# Altium PCB EPS.PcbDoc (part 9 of 10) (continued)
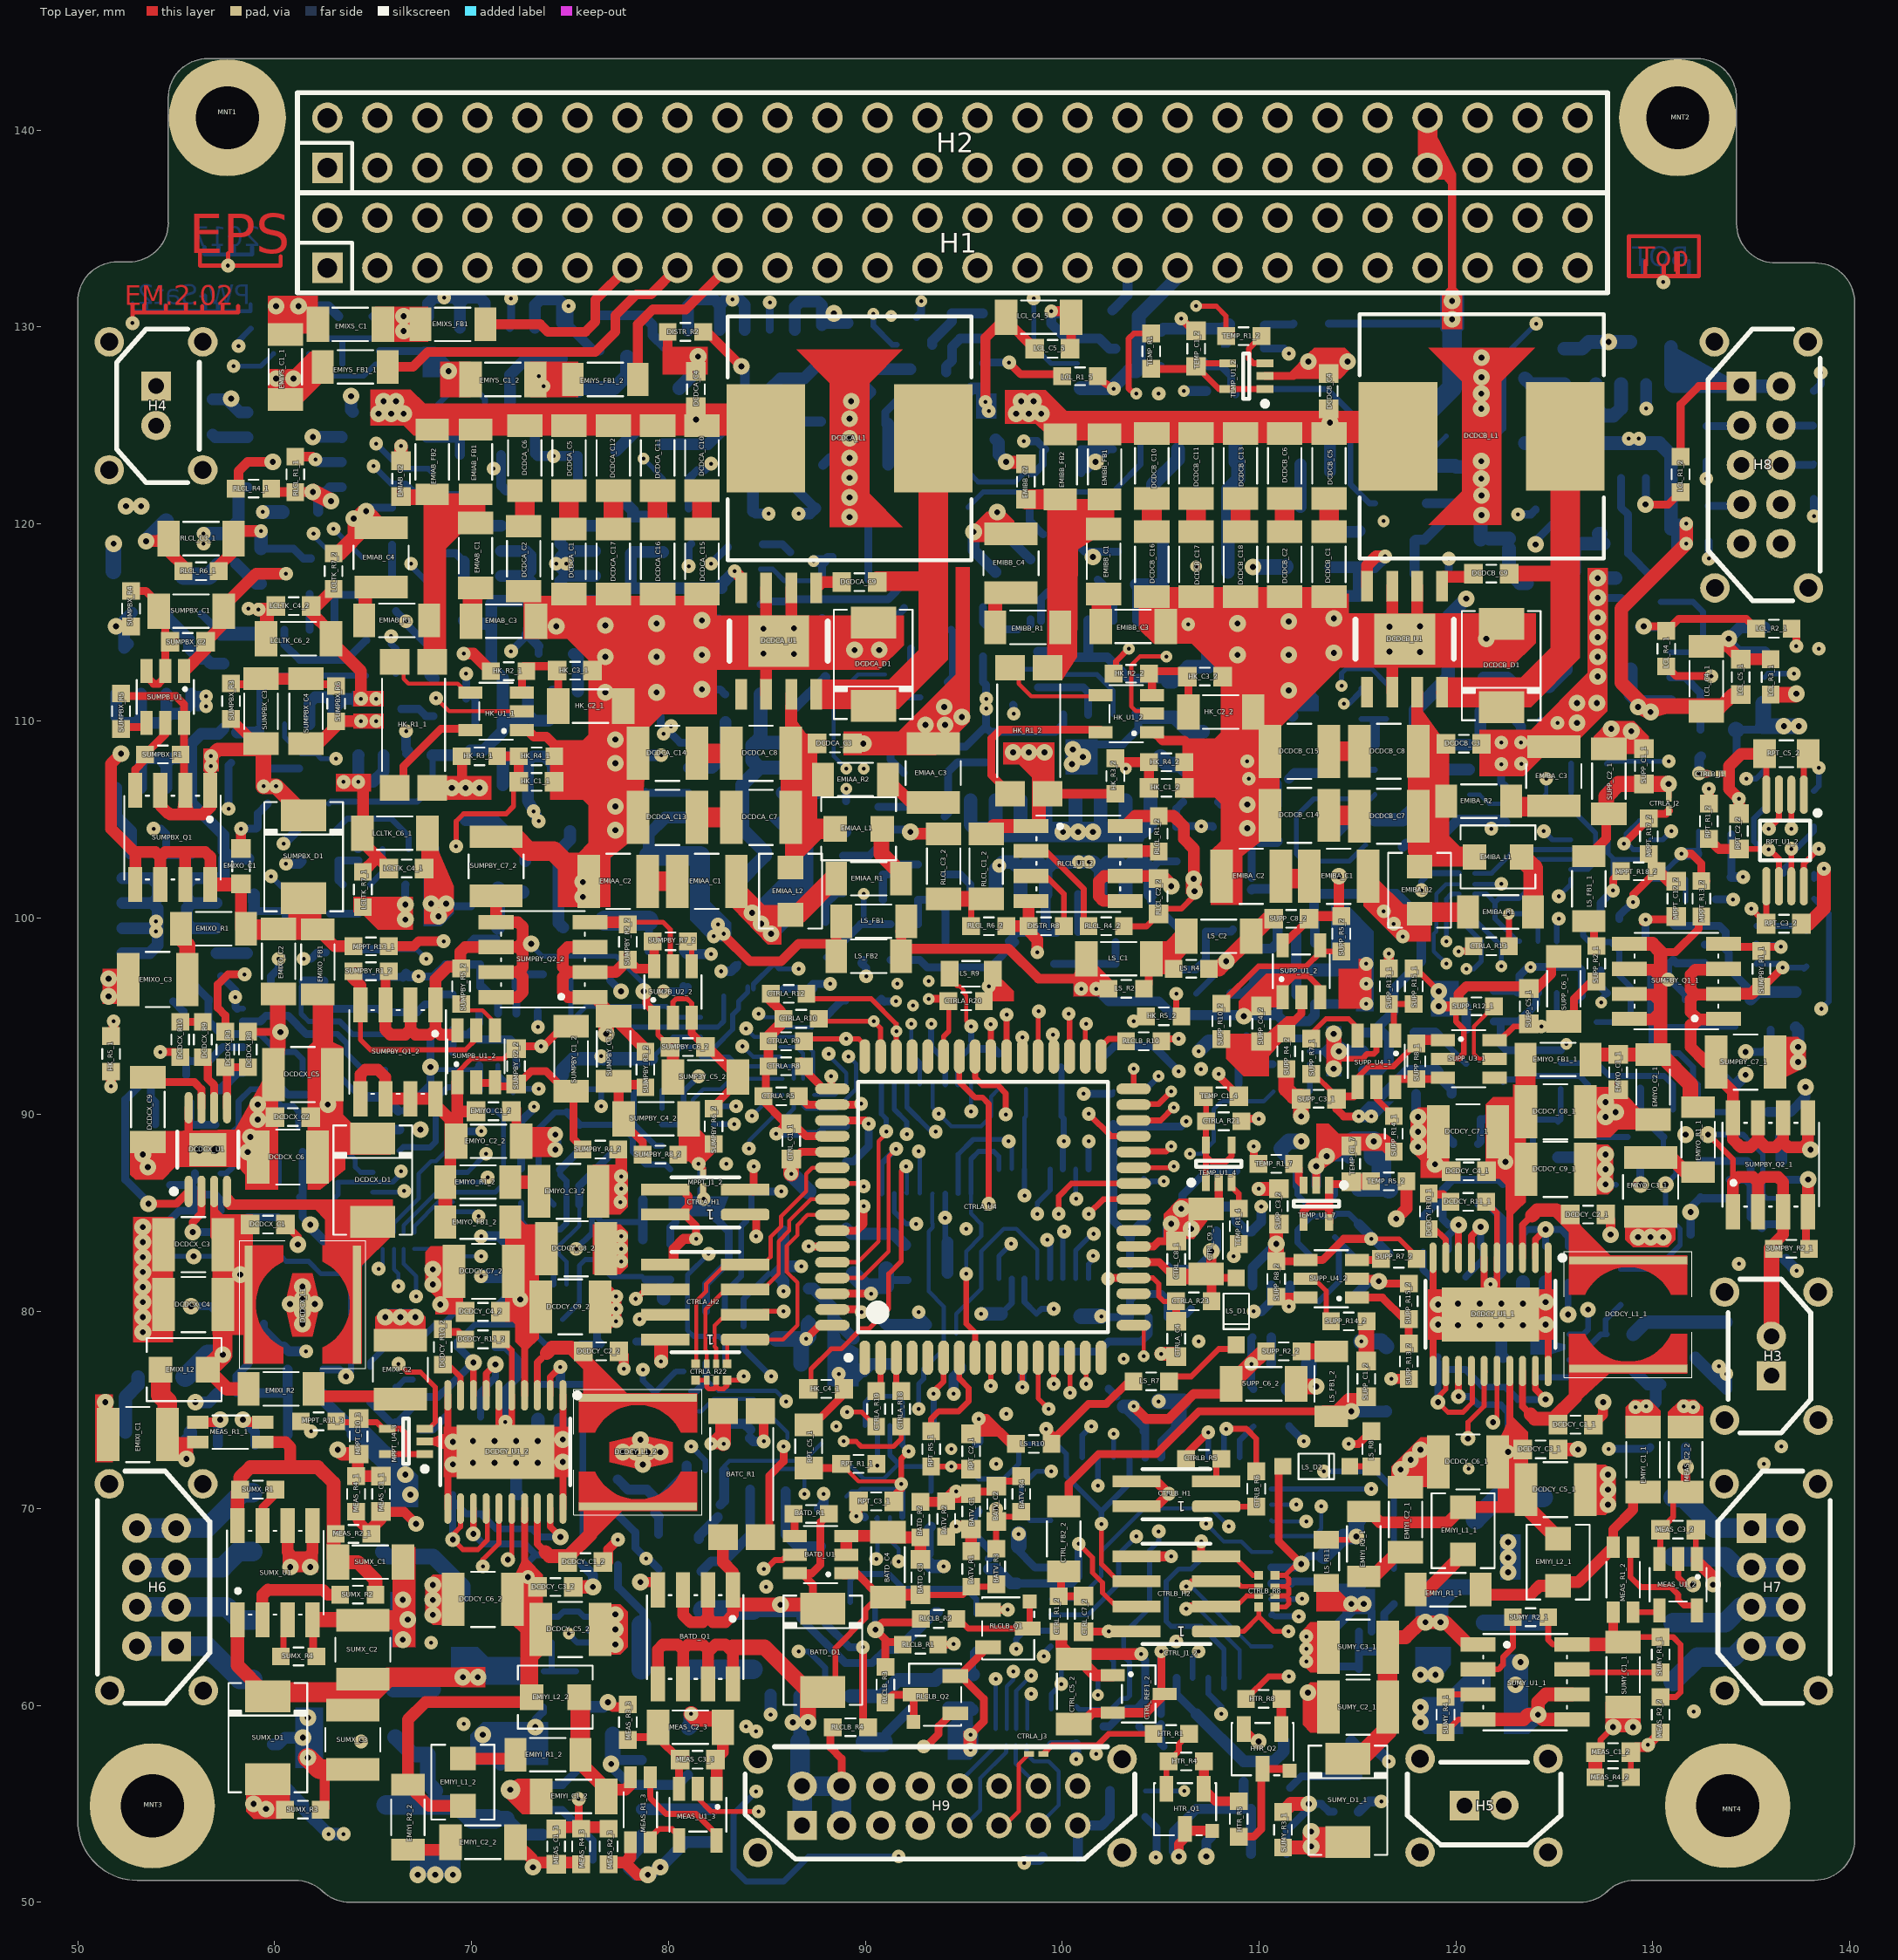
[diagram p0: Top Layer view]
## Nets (pads, with @x,y where several pads share a name; then routed paths per layer and width w, separated by ;. In a path a pad name is that pad's centre, name@x,y a point inside that pad or via, vN(x,y) a via of type N, cw(c..) or ccw(c..) an arc to the next point about the centre after c; other vN are vias at no path point) (continued)
  Bottom Layer w0.6: LCLTK_C5_2.2@52.55,113.9 LCLTK_C5_2.2@52.35,113.7 52.35,115.1 LCLTK_R15_2.1@52.75,115.5 ; MPPT_C10_1.2@54.699,88.238 56.161,88.238 v6(56.172,88.227) ; v2(55.969,75.392) 56.643,75.392 MEAS_U1_1.1@57.112,75.861 ; DISTR_R7.1@56.858,126.338 57.558,126.338 58.219,125.677 RLCL_U1_1.4@58.629,125.677 ; v2(58.636,88.1) 58.89,87.846 DCDCX_C8.2@58.89,86.587 ; v2(59.144,89.751) 59.26,89.635 DCDCX_R11.2@60.16,89.635 ; SUMY_R3_2.2@59.906,58.012 60.171,58.012 60.517,58.358 v2(61.429,58.358) ; v2(61.938,124.422) 63.394,124.422 RLCL_U1_1.6@63.409,124.407 ; MEAS_C3_1.2@62.457,75.781 62.457,75.516 63.969,74.004 MEAS_C2_1.2@63.969,73.749 ; v2(63.881,126.492) 63.881,125.781 RLCL_U1_1.5@63.97,125.692 ; LCLTK_Q4_1.E@67.9,112.325 LCLTK_Q4_1.E@68.075,112.15 ; LCLTK_Q4_1.E@67.95,112.325 LCLTK_R12_1.1@67.95,113.66 ; SUMY_C2_2.2@71.209,57.239 SUMY_C2_2.2@71.463,56.985 ; v2(72.267,72.321) 72.267,70.796 DCDCY_C14_2.2@72.351,70.712 ; LCLTK_C3_1.2@74.65,99.5 74.422,99.728 74.422,103.378 75,103.956 LCLTK_C5_1.2@75,104.4 ; v2(76.8,111.45) 77.2,111.85 DCDCA_R5.1@78.1,111.85 ; v2(77.3,109.05) 77.3,109.431 77.802,109.933 SEL_C1.2@77.802,110.198 ; DCDCA_R4.1@80.6,111.85 81.45,111.85 v2(81.7,111.6) ; v2(81.7,115.1) 82.55,115.1 DCDCA_C20.2@82.7,114.95 ; v1(85.19,59.536) RLCLB_R12.2@85.19,60.414 RLCLB_R12.2@85.19,60.541 ; LCL_C2_3.2@89.1,128.4 LCL_C2_3.2@89.2,128.3 ; v2(89.281,126.238) 89.778,126.238 LCL_R5_3.1@90.248,126.708 89.816,127.14 89.816,127.851 ; LCL_C2_3.2@89.281,128.386 89.816,127.851 ; DISTR_R4.1@92.28,127.851 89.816,127.851 ; RLCLB_R13.2@94.207,59.906 95.328,59.906 RLCLB_R8.2@95.466,59.768 ; v2(95.5,119.6) 95.5,118.672 SEL_C7.1@96.608,117.564 ; LCL_R5_5.1@96.62,124.295 96.774,124.141 96.774,123.526 v2(97.15,123.15) ; LCL_C2_5.2@105.029,129.805 105.145,129.921 108.269,129.921 HK_R4_3.2@108.485,130.137 ; DRLCL_R4_2.1@108.966,111.136 109.452,111.622 DCDCB_R5.1@110.236,111.622 ; v2@109.624,104.326 110.05,103.9 LCL_R5_6.1@110.9,103.9 ; DCDCB_R5.1@110.2,111.55 v2(111.5,111.55) ; LCL_C3_6.2@111.7,110.25 111.5,110.45 v2(111.5,111.55) ; DCDCB_R4.1@112.6,111.55 v2(111.5,111.55) ; v2(113.8,115.2) 114.4,115.2 DCDCB_C21.2@115.05,114.55 ; v2(114.046,93.218) SUPP_U2_1.2@115.276,93.218 ; v2(122.305,79.306) 122.305,77.781 DCDCY_C14_1.2@122.389,77.697 ; SUMPBY_R8_1.2@128.994,77.04 129.744,76.29 SUMPBY_C4_1.2@130.138,76.29 ; v1(129.667,75.184) 129.921,75.184 130.138,75.401 SUMPBY_C4_1.2@130.138,76.29 ; SUMPBY_C4_1.2@130.391,76.29 SUMPBY_C4_1.2@130.138,76.29 ; SUMPBY_R6_1.2@136.741,82.628 v1(137.304,82.065) ; SUMPBY_R4_1.2@137.249,94.439 137.376,94.312 v2(137.376,93.434) 137.448,93.434 137.47,93.456 v2@137.434,93.492
  Bottom Layer w0.7: LCLTK_R14_2.1@59.309,118.756 v1(59.309,119.634) ; v1(59.398,120.612) RLCL_C2_1.2@60.403,120.612 ; v2(73.367,73.421) v2(73.367,73.421) DCDCY_C13_2.2@73.368,74.511 ; DCDCY_R6_2.2@74.511,74.511 74.511,73.633 v2(74.638,73.506) ; DRLCL_C5_1.2@76.75,103.15 76.75,103.9 v2(77.3,104.45) ; LCL_C3_4.2@80.55,126.9 81.5,127.85 v2(81.5,128.5) ; v2(81.7,113.35) v2@81.75,113.4 ; v1(106.934,93.218) 107.442,93.726 TEMP_C1_6.2@107.558,93.726 ; HK_U1_3.1@118.51,122.95 119.95,122.95 HK_C3_3.2@120,122.9 v2@121,122.9 ; HK_C2_3.2@121.25,119.2 v2@121.25,120.4 ; HK_C2_3.2@121.7,119.25 LCL_C3_2.2@122.687,119.25 ; LCL_C3_2.2@122.687,118.75 122.687,117.563 123.25,117 LCL_R5_2.1@123.6,117 ; v2(123.405,80.406) v2(123.405,80.406) DCDCY_C13_1.2@123.406,81.496 ; v2(124.549,80.48) DCDCY_R6_1.2@124.549,81.496 ; LCL_R3_2.1@125.5,128.9 126.4,128.9 126.75,129.25 v2(127.75,129.25) LCL_C2_2.2@128.85,129.25 ; v2(127.2,117.25) DISTR_R5.1@128.1,117.25
  Bottom Layer w0.8: v2(51.816,118.999) v2(51.816,118.999) LCLTK_C3_2.2@51.817,117.602 ; v2@77.163,57.224 77.163,58.494 RLCLB_C6.2@77.178,58.509 ; RLCLB_C7.2@81.026,58.876 81.153,59.003 v1(81.153,59.563) ; v2(89.2,120.35) LCL_C3_5.2@90.143,120.35 ; v2(109.69,117.818) 111.317,117.818 EMIVBAT_C5.2@111.341,117.842 ; SUPP_C5_2.2@111.517,76.073 111.76,76.073 112.533,76.846 SUPP_R12_2.2@112.533,77.343 ; SUPP_C7_2.2@114.426,88.265 SUPP_C7_2.2@114.807,88.646 ; SUPP_C10_2.2@115.062,86.244 115.074,86.232 SUPP_C9_2.2@116.586,86.232 ; v1(115.189,78.486) 116.204,78.486 SUPP_C2_2.2@116.332,78.358 SUPP_C2_2.2@116.459,78.231
  Bottom Layer w1: SUPP_C7_2.2@114.807,88.646 v2(115.824,88.646) SUPP_C9_1.2@115.824,87.884 ; SUPP_C9_1.2@116.205,87.631 116.205,86.613 SUPP_C9_2.2@116.586,86.232
  other v1: 95.339,57.747 112.395,62.23 112.395,62.865 105.791,63.246 112.395,63.5 129.121,75.146 132.042,75.146 131.572,75.184 77.343,79.502 77.343,80.137 77.343,80.772 77.597,82.55 77.597,83.185 77.597,83.82 95.123,84.201 77.559,85.56 77.597,86.233 109.474,107.061 123.317,107.823 109.4,107.95 65.151,109.982
  other v2: 67.272,51.397 68.161,51.397 69.05,51.397 70.574,58.509 128.994,58.89 61.683,59.374 112.484,60.646 123.025,61.049 118.199,61.557 118.961,61.557 123.279,62.192 77.305,63.092 66.51,63.335 66.764,64.351 68.034,64.594 77.305,64.616 68.034,65.356 66.51,65.367 68.034,66.118 122.644,66.764 60.795,67.018 61.811,67.018 122.643,67.502 122.644,68.288 127.724,70.193 66.891,70.701 127.724,70.955 66.637,71.717 127.724,71.717 117.183,71.971 69.05,72.236 78.702,72.225 70.067,72.321 71.167,72.321 73.367,72.321 74.638,72.363 117.691,72.479 77.686,72.86 78.321,72.86 78.956,72.86 79.591,72.86 118.199,72.987 69.05,73.379 70.067,73.421 71.167,73.421 72.267,73.421 78.575,73.495 51.397,75.4 53.302,78.956 120.105,79.306 121.205,79.306 123.405,79.306 119.088,79.337 124.549,79.337 61.411,79.362 53.302,79.718 65.621,79.718 66.383,79.718 67.145,79.718 61.411,79.997 68.415,80.353 119.088,80.364 60.776,80.378 62.046,80.378 120.105,80.406 121.205,80.406 122.305,80.406 53.302,80.48 61.411,80.632 53.302,81.242 61.411,81.267 68.034,81.38 53.302,82.004 68.034,82.142 53.302,82.766 53.302,83.528 129.248,83.782 129.883,83.782 130.518,83.782 53.302,84.29 127.597,87.222 53.556,87.338 118.94,87.48 53.302,87.973 127.597,87.984 118.072,88.365 58.763,88.862 118.072,89.127 127.597,89.878 112.141,89.916 128.105,90.132 59.144,90.513 127.597,90.64 113.792,92.329 137.376,92.672 113.792,94.107 51.562,96.012 51.562,96.901 66.637,99.911 75.654,101.054 75.654,101.816 109.4,104.55 77.3,105.65 77.3,107.85 128.905,109.474 127.889,109.601 93.05,109.8 94.05,109.8 126.15,109.9 94.9,110.2 94,110.7 126.15,110.9 127.15,110.9 79.4,111.45 127.2,112.25 76.8,113.25 79.4,113.25 127.2,113.25 108.9,113.35 111.5,113.35 84.825,113.415 86.375,113.4 113.8,113.45 116.62,113.515 118.17,113.5 89.45,113.6 127.2,114.25 84.825,114.685 86.375,114.7 116.62,114.785 74.3,114.8 118.17,114.8 76.8,114.85 79.4,114.95 108.9,114.95 111.5,115.05 127.2,115.25 101.562,118.326 64.008,120.269 121.3,120.45 96.7,120.6 89.2,121.35 121.3,121.45 121.285,122.301 89.2,122.35 101.689,123.152 121.285,123.19 89.2,124.35 89.2,125.35 121.285,125.857 57.785,126.365 121.285,126.619 121.3,127.45 68.834,127.762 114.5,128.25 121.3,128.45 60.071,131.064
  other v4: 74.257,88.227 74.257,88.989
  other v6: 56.985,88.227
  other v8: 71.971,55.715
pads on no net: CTRLA_U3.4 CTRLA_U4.1 CTRLA_U4.4 CTRLA_U4.5 CTRLA_U4.10 CTRLA_U4.16 CTRLA_U4.18 CTRLA_U4.19 CTRLA_U4.23 CTRLA_U4.24 CTRLA_U4.44 CTRLA_U4.45 CTRLB_U1.7 CTRLB_U1.8 CTRLB_U1.33 CTRLB_U1.40 CTRLB_U1.41 CTRLB_U1.43 CTRLB_U1.44 DCDCA_U1.5 DCDCB_U1.5 H1.1 H1.2 H1.3 H1.4 H1.5 H1.6 H1.7 H1.8 H1.9 H1.10 H1.11 H1.12 H1.14 H1.16 H1.18 H1.19 H1.20 H1.22 H1.24 H1.25 H1.26 H1.27 H1.28 H1.29 H1.30 H1.31 H1.32 H1.36 H1.42 H1.44 H1.45 H1.46 H1.47 H1.49 H1.51 H2.1 H2.2 H2.3 H2.4 H2.5 H2.6 H2.7 H2.8 H2.9 H2.10 H2.11 H2.12 H2.13 H2.14 H2.15 H2.16 H2.17 H2.18 H2.19 H2.20 H2.21 H2.22 H2.23 H2.24 H2.33 H2.34 H2.36 H2.38 H2.40 H2.41 H2.42 H2.43 H2.44 H2.47 H2.48 H2.49 H2.50 H2.51 H2.52 H3.0@133.642,74.49 H3.0@133.642,80.99 H4.0@56.35,122.75 H4.0@56.35,129.25 H5.0@118.176,57.29 H5.0@124.676,57.29 H6.0@56.35,71.25 H6.0@56.375,60.75 H7.0@133.65,60.75 H7.0@133.625,71.25 H8.0@133.15,116.75 H8.0@133.125,129.25 H9.0@84.54,57.273 H9.0@103.04,57.273 SUPP_U3_1.4 SUPP_U3_2.4

## Polygon pours and split planes (outlines as drawn)
PGND on Power "PGND" (solid, pour order 18): 50.651,129.168 50.651,131.663 55.436,133.953 55.436,142.75 133.15,142.729 133.15,135.951 134.922,132.68 138.886,132.68 139.834,130.857 139.834,52.76 138.65,51.576 126.136,51.576 126.136,50.675 64.028,50.675 64.028,51.805 52.895,51.805 50.651,54.796
AGND on Power "Signal-No Net" (solid, remove dead copper, pour order 2): 88.773,98.044 88.773,95.631 87.503,95.631 87.503,89.304 80.772,82.573 80.772,79.756 55.118,79.756 55.118,98.044
AGND on Power "AGND" (solid, remove dead copper, pour order 4): 121.12,102.997 121.12,85.827 136.017,85.827 136.017,102.997
DGND on Power "DGND" (solid, remove dead copper, pour order 16): 131.826,107.823 131.826,101.981 139.319,101.981 139.319,107.823
DGND on Power "CTRLB_DGND" (solid, remove dead copper, pour order 6): 89.154,76.708 89.154,60.706 116.245,60.706 116.245,76.708
DGND on Power "CTRLA_DGND" (solid, remove dead copper, pour order 8): 86.487,98.044 86.487,88.138 84.709,88.138 80.264,83.693 80.264,79.502 79.248,79.502 79.248,76.217 116.967,76.217 116.967,98.044
PGND on Signal 1 "PGND" (solid, remove dead copper, pour order 14): 113.03,132.207 113.03,127 129.794,127 132.207,124.587 138.557,124.587 138.557,132.207
PGND on Signal 1 "PGND" (solid, pour order 24): 50.651,129.168 50.651,131.663 55.436,133.953 55.436,142.75 133.15,142.729 133.15,135.951 134.922,132.68 138.886,132.68 139.834,130.857 139.834,52.76 138.65,51.576 126.136,51.576 126.136,50.675 64.028,50.675 64.028,51.805 52.895,51.805 50.651,54.796
PGND on Signal 2 "PGND" (solid, pour order 26): 50.603,129.279 50.603,131.774 55.388,134.064 55.388,142.861 133.101,142.84 133.101,136.062 134.874,132.791 138.838,132.791 139.786,130.969 139.786,52.872 138.602,51.688 126.088,51.688 126.088,50.786 63.98,50.786 63.98,51.916 52.847,51.916 50.603,54.907
PGND on Control Signals 2 "PGND" (solid, pour order 22): 50.676,129.142 50.676,131.637 55.461,133.927 55.461,142.724 133.175,142.703 133.175,135.925 134.947,132.654 138.911,132.654 139.86,130.832 139.86,52.735 138.676,51.551 126.162,51.551 126.162,50.649 64.054,50.649 64.054,51.78 52.92,51.78 50.676,54.77
PGND on Control Signals 1 "PGND" (solid, pour order 20): 50.673,129.184 50.673,131.678 55.458,133.969 55.458,142.766 133.172,142.744 133.172,135.966 134.945,132.696 138.908,132.696 139.857,130.873 139.857,52.776 138.673,51.592 126.159,51.592 126.159,50.691 64.051,50.691 64.051,51.821 52.918,51.821 50.673,54.812
PGND on PGND "PGND" (solid, pour order 0): 50.628,129.128 50.628,131.623 55.413,133.913 55.413,142.71 133.127,142.689 133.127,135.911 134.899,132.64 138.863,132.64 139.812,130.817 139.812,52.72 138.628,51.537 126.114,51.537 126.114,50.635 64.006,50.635 64.006,51.765 52.872,51.765 50.628,54.756

## Other copper
Top Layer:
  region net DGND: 112.903,65.913 112.903,64.77 115.415,64.77 113.708,65.913
  region net CTRLA_3V3D: 96.393,97.409 96.393,95.758 97.536,95.758 97.536,96.266
  region net NetLCLTK_C4_2_2: 64.008,110.744 65.532,110.744 65.532,111.506 64.008,111.506
  region net PGND: 64.008,109.601 65.532,109.601 65.532,110.363 64.008,110.363
  region net PGND: 80.518,90.297 80.518,87.63 81.026,87.63 81.471,87.186 82.423,88.138 82.423,88.392
  region net NetEMIXS_C1_1: 58.547,55.88 58.547,54.61 58.928,54.229 60.325,54.229 60.325,55.88
  region net PGND: 112.903,89.535 112.903,87.884 112.649,87.63 112.903,86.995 113.792,87.63 114.537,88.162 116.332,88.138 116.205,89.027 114.046,89.027 113.538,89.535
  region net NetLS_C1_1: 108.966,95.758 108.966,94.996 111.379,95.758 111.379,96.52 112.014,97.155 110.363,97.155
  region net NetSUPP_C4_2_2: 111.633,94.234 112.014,94.996 111.379,94.996 110.363,94.107 108.331,94.107 108.331,92.837 109.22,91.948 110.49,91.948 110.49,92.964
  region net PGND: 113.411,94.107 113.411,92.202 114.173,92.202 114.173,94.107
  region net NetSUPP_C4_1_2: 114.046,95.377 115.697,95.377 115.697,97.917 115.062,97.917 115.062,97.409 114.046,97.409
  region net NetLS_C1_2: 104.013,97.282 104.013,98.806 105.283,98.806 105.918,99.441 106.299,99.441 106.299,98.171 106.045,97.917 106.045,97.282
  region net PGND: 127,108.331 129.794,108.331 129.794,109.22 129.032,109.982 127.762,109.982 127,109.22
  region net DGND: 105.156,83.693 105.156,84.963 105.918,85.725 108.204,85.725 106.68,83.693
  region net NetBATC_R1_4: 82.042,73.533 82.042,73.025 82.931,73.025 82.931,74.422
  region net NetDCDCY_C4_2_2: 71.717,79.475 72.098,79.475 72.225,79.348 72.225,78.459 72.606,78.078 72.86,78.078 73.406,78.624 73.406,84.432 72.733,84.417 72.098,85.052 71.717,84.417
  region net PGND: 75.019,74.141 68.58,74.141 68.58,73.787 67.818,73.533 67.818,73.279 68.58,73.025 68.58,71.601 75.019,71.601
  region net PGND: 71.755,56.007 71.691,55.372 72.581,54.483 73.724,54.483 73.724,56.261 72.326,56.261
  region net PGND: 52.794,97.409 52.794,95.631 51.27,95.631 51.27,97.409
  region net NetDCDCX_C2_2: 61.684,86.195 61.684,93.434 61.938,93.688 61.938,95.847 62.954,95.847 62.954,93.688 63.462,93.434 63.462,90.005 63.97,89.497 65.875,89.497 65.875,87.973 63.589,87.973 63.589,87.211 62.319,86.195
  region net NetEMIXO_C1_1: 58.128,98.895 62.357,98.895 62.357,99.911 62.357,100.965 60.706,100.965 60.706,99.911 58.128,99.911
  region net PGND: 64.008,101.054 64.008,100.292 64.351,100.292 65.24,99.403 67.018,99.403 67.018,101.054
  region net PGND: 51.778,72.352 51.778,75.781 50.889,75.781 50.889,72.352
  region net NetEMIXI_C1_1: 54.572,73.368 54.6,73.035 55.499,72.136 55.842,72.479 55.842,73.368
  region net NetEMIXS_C2_1: 69.431,60.922 70.701,60.922 70.701,61.938 69.431,61.938
  region net PGND: 66.002,68.034 66.002,62.954 67.145,62.954 67.145,68.034
  region net PGND: 60.414,67.78 60.414,66.764 62.192,66.764 62.192,67.78
  region net PGND: 62.065,64.732 62.065,63.97 63.335,63.97 63.335,64.732
  region net PGND: 61.919,78.727 62.3,80.378 61.919,81.947 60.903,81.947 60.522,80.378 60.903,78.727
  region net NetDRLCL_C1_1_1: 67.6,105.1 67.6,99.695 68.453,99.695 69.081,100.323 69.1,101.6
  region net NetLCLTK_C4_1_2: 63.119,107.315 63.119,106.426 64.897,106.426 64.897,107.315
  region net NetHK_R1_1_4: 71,107.2 70.4,107.2 67.8,107.2 67.8,106 71,106
  region net PGND: 79.95,110.6 78.95,109.6 78.587,104.263 77.05,103.05 77.05,100.55 74.384,100.55 74.384,103.3 75.45,103.3 75.95,103.8 75.95,105.7 75.65,106 74,106 74,109 75.65,109 75.95,109.3 75.95,110.6
  region net NetEMIAB_C1_1: 67.564,121.55 70.15,121.55 70.138,119.767 69.717,119.767 68.707,118.757 68.707,113.484 68,112.4 67.564,113.069
  region net NetHK_R1_2_4: 99.6,106.2 99.6,108.9 97,108.9 97,107.8 97.8,107.8 98.5,107.1 98.5,106.2
  region net PC-104_LCL_VBAT: 118.2,137.5 119.4,137.5 119.8,137 120,137.5 120,137.8 118.2,141.3
  region net PC-104_LCL_VBAT: 119.3,131.7 119.3,129.9 120.3,129.9 120.3,131.7 119.8,132.2
  region net NetDCDCB_C9_1: 119.55,112.2 119.55,110.7 123.8,110.7 126.3,113.2 126.3,115.45 124.8,115.45 124.8,113.7 123.3,112.2
  region net PGND: 114.05,115.45 124.05,115.45 124.05,113.95 122.8,112.7 114.05,112.7
  region net NetDCDCB_C4_1: 115.55,124.6 115.55,125.73 100.22,125.73 99.15,126.8 97.1,126.8 97.1,125.1 98.65,125.1 99.15,124.6
  region net PGND: 112.05,110.7 111.05,109.7 110.688,104.362 109.15,103.15 109.15,100.65 107.55,100.65 107.55,103.4 108.05,103.9 108.05,105.8 107.75,106.1 106.1,106.1 106.1,109.1 107.75,109.1 108.05,109.4 108.05,110.7
  region net PGND: 103.9,116.2 103.9,114.667 104.648,113.919 106.581,113.919 108.125,112.375 108.125,116.2
  region net PGND: 111.537,127.381 114.131,127.381 114.65,127.9 114.65,128.65 114.35,128.95 112.8,128.95 112.5,128.65 111.496,127.645
  region net PGND: 122.3,128.95 118.6,128.95 120.3,127.25 120.3,121.65 118.6,119.95 122.3,119.95 122.3,121.65 122.3,127.25 124,128.95
  region net PGND: 96.9,122.809 98.552,122.809 98.552,123.444 96.9,123.444
  region net PGND: 95.3,119.1 97.562,119.1 97.562,120.163 97.1,120.625 96.175,120.625 95.3,119.75
  region net NetEMIBB_C1_1: 99.25,121.25 102.15,121.25 102.15,119.55 101.25,119 100.792,118.72 100.75,113.25 100,112.1 99.25,113.25 99.25,119.55
  region net NetDCDCB_C3_1: 118.03,110.9 119.65,108.65 119.65,104.15 120.9,102.9 118.03,102.9
  region net PGND: 79.718,127.597 82,127.597 82,129 79.718,129
  region net PGND: 90.2,128.85 86.5,128.85 88.2,127.15 88.2,121.55 88.2,119.85 91.9,119.85 90.2,121.55 90.2,127.15 91.9,128.85
  region net NetDCDCA_C9_1: 87.45,112.1 87.45,110.6 91.7,110.6 94.2,113.1 94.2,115.35 92.7,115.35 92.7,113.6 91.2,112.1
  region net PGND: 81.95,115.35 91.95,115.35 91.95,113.85 90.7,112.6 81.95,112.6
  region net PGND: 82.45,116.35 82.45,110.35 75.95,110.35 75.95,116.35
  region net PGND: 72.644,116.332 72.644,114.173 74.852,114.173 76.025,113 76.025,116.332
  region net PGND: 94.6,115.6 94.6,112.35 91.7,109.45 88.9,109.45 88.9,108.256 93.6,108.256 95.3,109.956 95.3,115.6 95.3,117.8 94.6,117.8
  region net NetDCDCA_C3_1: 85.93,110.8 87.55,108.55 87.55,105.029 88.575,105.029 88.575,104.013 87.757,104.013 86.576,102.832 85.93,102.8
  region net NetDCDCA_C4_1: 83.45,124.5 83.45,126.1 67.626,126.1 66.904,126.822 64.859,126.822 64.859,125 66.55,125 67.05,124.5
  region net NetDRLCL_C4_1_1: 83.25,101 84.25,101 85.725,99.822 85.725,98.641 85.052,98.641 83.25,100.5
  region net NetDRLCL_C4_1_1: 115.3,101.3 116.3,101.3 118.707,99.657 118.707,98.806 117.094,98.806 115.3,100.6
  region net PGND: 63.711,119.387 65.662,119.387 65.662,120.139 64.926,120.875 64.275,120.875 63.711,120.312
  region net NetDCDCX_C1_2: 58.89,84.925 57.366,84.925 56.858,85.433 56.858,78.829 58.89,78.829
  region net PGND: 54.826,78.448 54.826,84.798 52.824,84.798 52.824,78.448
  region net PGND: 52.667,86.957 52.921,86.703 54.318,86.703 54.953,87.338 58.128,87.338 58.509,86.957 58.509,86.195 60.16,86.195 60.16,90.767 60.541,93.434 60.541,95.72 59.779,95.72 59.779,92.418 58.001,89.243 52.667,89.116
  region net NetDCDCX_D1_A: 66.002,85.687 58.001,85.687 57.747,85.941 57.391,85.941 57.391,85.408 57.62,85.179 62.065,85.179 62.573,84.671 62.573,83.147 63.208,82.099 64.389,82.296 66.04,83.947
  region net PGND: 69.939,128.232 69.939,126.454 68.415,126.454 68.415,128.232
  region net PGND: 62.192,131.572 62.192,129.667 59.652,129.667 59.652,131.572
  region net NetEMIYS_C1_1_1: 59.652,125.819 59.652,126.962 59.652,127.851 60.922,127.851 61.811,128.74 62.954,128.74 62.954,127.723 61.05,125.819
  region net NetEMIYS_C1_2_1: 72.987,128.232 72.987,126.454 75.4,126.454 75.4,128.232
  region net PGND: 76.162,84.428 76.162,81.888 77.559,81.888 77.94,82.269 77.94,84.047 77.559,84.428
  region net PGND: 76.162,81.507 76.162,78.967 76.935,78.967 77.597,79.629 77.597,80.772 76.862,81.507
  region net PGND: 76.162,65.124 76.162,62.584 77.559,62.584 77.94,62.965 77.94,64.743 77.559,65.124
  region net PGND: 69.558,79.602 69.558,83.312 67.934,83.312 67.653,83.031 67.653,81.253 68.161,80.745 68.161,79.856 69.177,79.856
  region net NetDCDCY_C1_2_1: 75.702,70.871 75.702,67.918 77.964,70.18
  region net NetDCDCY_C2_2_1: 75.666,75.113 75.666,78.066 77.928,75.804
  region net PGND: 126.454,88.481 126.454,85.941 127.724,85.941 127.978,86.195 127.978,88.227 127.724,88.481
  region net PGND: 126.454,91.402 126.454,88.862 127.851,88.862 128.232,89.243 130.772,89.243 130.772,90.259 129.375,90.259 128.613,91.021 127.851,91.402
  region net NetDCDCY_C4_1_2: 121.501,86.741 122.225,86.741 122.517,86.449 122.517,85.179 122.754,84.781 123.152,85.179 123.533,85.56 123.533,91.529 122.898,91.529 122.898,90.894 121.882,90.894 121.501,90.513
  region net PGND: 124.93,81.115 118.58,81.115 118.58,78.575 124.93,78.575
  region net NetDCDCY_C2_1_1: 125.831,81.913 125.831,84.866 128.093,82.604
  region net NetDCDCY_C1_1_1: 125.994,77.972 125.946,75.157 128.256,77.281
  region net PGND: 119.634,86.741 119.634,90.353 118.072,90.353 117.691,89.972 117.691,88.194 118.199,87.686 118.199,86.797 119.215,86.797
  region net PGND: 69.431,64.086 69.431,66.626 68.034,66.626 67.653,66.245 67.653,64.467 68.034,64.086
  region net PGND: 119.596,71.082 119.596,73.622 118.199,73.622 116.713,72.136 116.713,71.082
  region net PGND: 126.454,72.225 126.454,69.682 127.594,69.682 128.105,70.193 128.105,71.844 127.594,72.225
  region net PGND: 65.113,78.321 67.653,78.321 67.653,79.718 67.272,80.099 65.494,80.099 65.113,79.718
  region net NetDCDCY_C3_1_2: 122.771,74.765 122.39,73.887 122.136,73.379 122.136,70.32 123.152,69.685 123.66,69.685 123.66,73.876
  region net NetDCDCY_C3_2_2: 72.86,67.404 72.733,67.774 72.352,66.896 72.098,66.388 72.095,64.094 72.479,63.71 72.479,60.027 73.368,60.027 73.368,62.313 73.622,62.567 73.622,66.642
  region net PGND: 76.162,87.465 76.162,84.925 77.559,84.925 77.94,85.306 77.94,87.084 77.559,87.465
  region net PGND: 72.415,89.37 72.415,87.846 74.295,87.846 74.295,89.37
  region net PGND: 80.226,73.368 78.575,73.749 77.006,73.368 77.006,72.352 78.575,71.971 80.226,72.352
  region net PGND: 127.597,60.16 129.375,60.16 129.375,59.017 128.994,58.636 127.978,58.636 127.597,59.017
  region net PGND: 114.008,58.625 114.008,61.165 112.611,61.165 112.23,60.784 112.23,59.006 112.611,58.625
  region net PGND: 114.008,61.673 114.008,64.213 112.611,64.213 112.23,63.832 112.23,62.054 112.611,61.673
  region net NetEMIYS_C1_1_1: 112.611,53.81 112.23,53.556 112.23,52.54 112.611,52.286 115.532,52.286 115.532,53.81
  region net PGND: 128.613,73.749 130.391,73.749 130.391,74.968 129.832,75.527 128.994,75.527 128.613,75.146
  region net PGND: 131.407,75.527 130.772,74.892 130.772,73.749 132.55,73.749 132.55,75.146 132.169,75.527
  region net PGND: 135.979,93.953 135.979,91.91 136.741,91.91 137.757,92.418 137.757,93.572 137.376,93.953
  region net PGND: 131.142,85.052 128.602,85.052 128.602,83.655 128.983,83.274 130.761,83.274 131.142,83.655
  region net NetEMIXS_C1_1: 65.113,131.026 65.113,129.248 67.78,129.248 67.78,131.026
  region net PC-104_LCL_3V3: 61.722,121.285 62.738,120.777 62.992,121.539 61.976,122.047
  region net PC-104_LCL_5V: 106.299,102.108 106.299,101.219 107.061,101.219 107.061,102.108
  region net NetLS_C1_1: 100.584,97.028 100.584,96.012 102.362,96.012 102.743,96.393 102.351,96.862 100.811,97.817
  region net NetBATC_R1_4: 55.118,105.918 54.991,105.029 56.007,105.029 55.753,105.918
  region net NetBATC_R1_4: 56.388,108.585 56.388,107.442 57.15,107.442 57.15,108.585
  region net NetHK_R1_2_4: 128.994,111.134 128.994,110.452 129.756,110.071 130.137,110.198 133.731,111.134
  region net PGND: 94.996,58.674 94.996,57.658 95.631,57.658 95.631,58.674
  region net DGND: 95.758,73.66 96.774,73.66 96.774,73.787 95.758,74.803
  region net PGND: 114.554,116.45 114.554,113.157 110.841,109.444 108.05,110.45 108.05,116.45
  region net PGND: 126.7,117.75 126.7,112.45 123.8,109.55 121.2,109.55 121.2,107.185 123.435,107.185 124.528,108.278 125.476,108.278 127.686,110.488 127.7,117.75
  text "EPS" at 55.651,133.756 h2
  text "Top" at 129.286,133.096 h1
  text "EM.2.02" at 52.375,131.115 h1
PGND:
  text "2" at 130.302,133.096 h1
Power:
  region net NetDRLCL_U1_1_4: 95.758,111.633 95.758,110.236 96.52,110.236 96.52,111.633
  region net NetDRLCL_U1_1_4: 79.375,110.109 79.375,108.966 80.518,108.966 80.518,110.109
  region net NetDRLCL_C1_1_1: 58.039,116.078 58.039,115.316 59.563,115.316 59.563,116.078
  region net PC-104_LCL_SADSMAIN: 72.771,105.791 72.771,104.521 73.787,104.521 73.787,105.791
  region net PC-104_LCL_SADSRED: 56.134,111.633 56.134,110.363 56.896,110.363 56.896,111.633
  region net PC-104_LCL_SAILMAIN: 73.914,118.364 73.914,117.602 75.184,117.602 75.184,118.364
  region net PC-104_LCL_SAILRED: 53.594,100.203 53.594,98.933 54.356,98.933 54.356,100.203
  region net NetHK_R1_1_4: 55.88,118.618 55.88,119.888 56.896,119.888 56.896,118.618
  region net NetEMIXS_C1_1: 66.04,130.937 66.04,129.756 66.929,129.667 66.929,130.937
  region net NetEMIXS_C1_1: 58.547,54.737 59.447,54.367 59.817,54.991 58.928,55.88
  region net NetDRLCL_C1_1_1: 81.242,101.308 81.144,99.831 82.169,98.806 82.804,98.806 83.274,99.276 83.274,99.53 83.274,101.308
  region net NetEMIXS_C2_1: 117.786,58.636 118.866,58.636 118.866,60.455 117.786,60.455 116.929,59.906 116.929,59.144
  region net NetEMIXS_C2_1: 69.177,62.319 69.177,60.795 72.225,60.795 72.225,62.319
  region net NetDRLCL_C1_1_1: 67.437,101.346 68.834,101.346 70.231,99.949 69.578,99.441 67.437,99.441
  region net PC-104_LCL_VBAT: 120,137.5 119.7,137.2 119.4,137.5 118.4,137.5 118.4,140.9 120,137.9
  region net PC-104_LCL_VBAT: 119.3,131.7 119.3,129.9 120.3,129.9 120.3,131.7 119.8,132.2
  region net NetDRLCL_C4_1_1: 83.8,100.584 83.8,99.8 84.794,98.806 117.7,98.806 117.7,99.441 116.557,100.584
  region net NetH8_1: 136.588,110.109 136.588,109.347 137.477,109.347 137.477,110.109
  region net PC-104_LCL_3V3: 61.976,122.047 61.595,121.412 62.738,120.777 63.119,121.412
  region net NetHK_R1_1_4: 68.453,107.188 68.453,106.045 70.993,106.045 70.993,107.188
  region net PC-104_LCL_3V3: 97.14,137.5 96.84,137.2 96.54,137.5 95.54,137.5 95.54,140.9 97.14,137.9
  region net PC-104_LCL_5V: 106.299,102.108 106.299,101.219 107.061,101.219 107.061,102.108
  region net NetBATC_R1_4: 132.842,77.851 132.842,76.454 134.112,76.454 134.112,77.851
  region net NetDRLCL_C1_1_1: 99.441,104.902 99.441,103.759 102.362,103.759 102.362,104.902
  text "3" at 130.302,133.096 h1
Signal 1:
  region net NetDRLCL_U1_1_4: 79.375,110.109 79.375,108.966 80.518,108.966 80.518,110.109
  region net PC-104_LCL_VBAT: 120,137.5 119.7,137.2 119.4,137.5 118.4,137.5 118.4,140.9 120,137.9
  region net PC-104_LCL_VBAT: 119.507,131.572 119.507,130.4 120.142,130.4 120.142,131.445 119.761,131.699
  region net NetHK_R1_1_4: 68.58,107.061 68.58,106.172 70.866,106.172 70.866,107.061
  region net PC-104_LCL_5V: 94.6,137.5 94.3,137.2 94,137.5 93,137.5 93,140.9 94.6,137.9
  region net PC-104_LCL_5V: 106.299,101.981 106.299,101.219 107.061,101.219 107.061,101.981
  region net NetEMIYS_C1_1_1: 60.071,127.762 60.071,127 61.087,127 61.087,127.762
  region net NetEMIYS_C1_1_1: 112.268,53.594 112.268,52.832 113.03,52.832 113.03,53.594
  region net NetEMIYS_C1_2_1: 52.451,121.285 53.34,121.285 53.34,120.523 52.451,120.523
  region net NetBATC_R1_4: 81.788,73.66 81.788,73.152 82.042,72.898 83.185,72.898 83.185,73.66
  region net NetH3_1: 100.33,103.251 100.33,102.362 101.854,102.362 101.854,103.251
  text "6" at 130.302,133.096 h1
Signal 2:
  region net NetBATC_R1_4: 81.788,73.66 81.788,72.898 83.185,72.898 83.185,73.66
  region net NetBATC_R1_4: 84.074,59.182 83.693,58.674 84.455,58.42 84.709,58.928
  region net NetBATC_R1_4: 59.182,106.934 59.182,106.426 60.325,106.426 60.325,106.934
  region net NetHK_R1_1_4: 68.58,107.066 68.58,106.172 70.866,106.172 70.866,107.066
  region net NetEMIYS_C1_2_1: 62.738,52.959 63.881,52.959 63.881,53.848 62.611,53.848
  region net NetBATC_R1_4: 56.261,108.585 56.261,107.315 57.277,107.315 57.277,108.585
  region net NetHK_R1_2_4: 95.631,126.619 95.631,125.349 96.774,125.349 96.774,126.619
  region net NetHK_R1_2_4: 128.27,123.825 129.667,123.825 129.667,125.222 128.27,125.222
  region net NetHK_R1_2_4: 97.028,108.966 97.028,107.823 99.568,107.823 99.568,108.966
  text "7" at 130.302,133.096 h1
Control Signals 1:
  region net NetBATC_R1_4: 132.842,77.724 132.842,76.454 134.249,76.454 134.249,77.724
  region net NetBATC_R1_4: 83.566,58.674 84.455,58.42 84.582,58.928 83.947,59.055
  text "4" at 130.302,133.096 h1
Control Signals 2:
  text "5" at 130.302,133.096 h1